# Altium PCB WX0.012.307PCB-4.2.PcbDoc (part 2 of 2)
Units mil, origin at the board's own origin, x right, y up, seen from the top; angles counter-clockwise.
Board outline 4856.3 x 9472.39 mil, 4 copper layers (Top Layer, GND, VCC, Bottom Layer), stack 62.248 mil thick; 200 components, 147 nets, 622 pads, 336 vias.
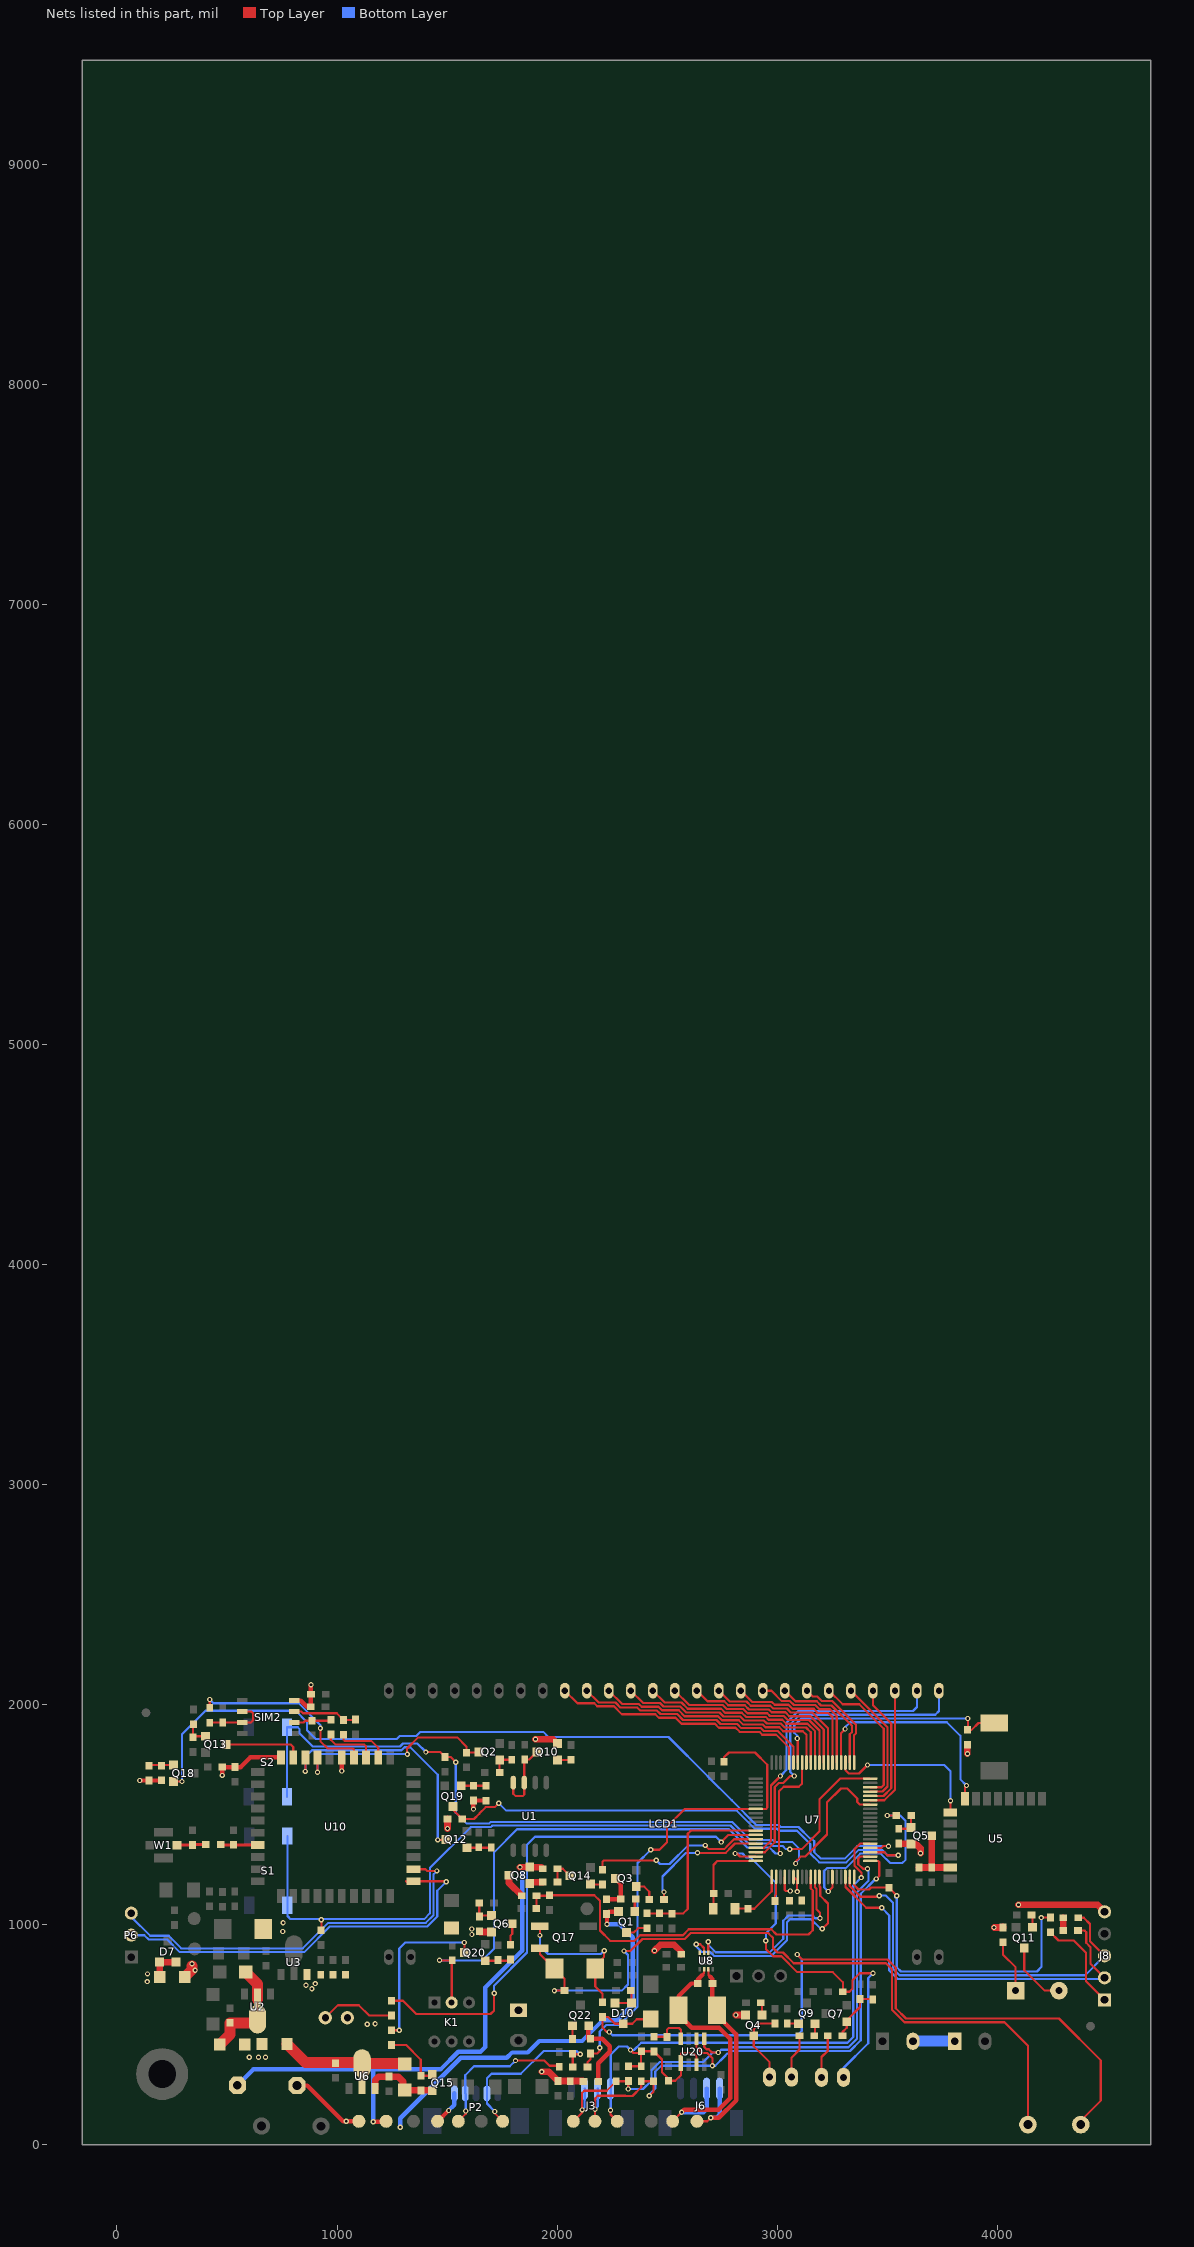
[diagram p4: the nets of this part, all layers, seen from the top]

## Via types
v1: diameter 24, hole 12, Top Layer to Bottom Layer, tented both sides, 336 vias

## Nets (pads, with @x,y where several pads share a name; then routed paths per layer and width w, separated by ;. In a path a pad name is that pad's centre, name@x,y a point inside that pad or via, vN(x,y) a via of type N, cw(c..) or ccw(c..) an arc to the next point about the centre after c; other vN are vias at no path point) (continued)
HIC1_TXD: R4.1 R58.1 R62.1 U7.48 | length 2251.1
  Top Layer w10: R62.1@2138,353 2138,374 2152,388 R58.1@2152,414 2182,414 2194,426 v1(2194,440) ; v1(2426,1340) 2466,1340 2499,1373 2499,1444.08 2580.76,1525.84 U7.48@2903.16,1525.84 2949.21,1525.84 2955,1531.63 2955,1726.75 2899.75,1782 2781,1782 2759,1760 R4.1@2759,1740.63
  Bottom Layer w10: v1(2194,440) 2194,514.25 2223.75,544 2283.11,544 2366,626.89 2366,1280 v1(2426,1340)
IN1: D10.3 P5.1 R75.1 TVS2.1 | length 3570.2
  Top Layer w10: v1(2237,512) 2226,512 2207,531 R75.1@2207,580 2233,580 2263.24,549.76 D10.3@2301,549.76 2341.76,549.76 2362,570 2423.74,570 TVS2.1@2425,571.26 ; v1(3091,864) 3114,841 3502.04,841 3539,804.04 3539,620.04 3586.04,573 4281,573 4471,383 4471,200 P5.1@4380,109
  Bottom Layer w10: v1(2237,512) 2252,497 3092,497 3112,517 3112,843 v1(3091,864)
IN2: D13.1 FB2.2 P5.2 Q17.2 | length 3364.5
  Top Layer w10: Q17.2@1922,892 1922,866.5 D13.1@1988.5,800 2034,754.5 FB2.2@2034,700 v1(1988,700) ; v1(2304,880) 2333,880 2388,935 2580.37,935 2607,961.63 2959,961.63 2961.63,959 2962.25,959 2981,940.25 2981,894 3002,873 3027.04,873 3076.04,824 3495,824 3522,797 3522,613 3579,556 4033,556 4140,449 P5.2@4140,91
  Bottom Layer w10: v1(1988,700) 2294,700 2322,728 2322,862 v1(2304,880)
INTP1: C47.2 S1.1 U7.20 | length 3625.1
  Top Layer w10: C47.2@927,974.51 929,976.51 v1(929,1022) ; v1(3057,1343) 3112.29,1343 3193,1423.71 3193,1569.71 3286.92,1663.64 U7.20@3422.84,1663.64
  Bottom Layer w10: S1.1@774.61,1402.48 S1.1@774.61,1087.52 774.61,1039.39 789,1025 1396,1025 1422,1051 1422,1257.25 1607.75,1443 1699.3,1443 1706.3,1450 2788.33,1450 2870.33,1368 2971.71,1368 2982.71,1357 3025.25,1357 3039.25,1343 v1(3057,1343)
INTP4: C46.2 S2.1 U7.14 | length 3716.9
  Top Layer w10: v1(1404,1784) 1468.51,1784 C46.2@1491,1761.51 1516.49,1761.51 v1(1540,1738) ; v1(3084,1278) 3084,1285.55 3107.45,1309 3126.37,1309 3227,1409.63 3227,1555.63 3290,1618.63 3318.8,1618.63 3364,1573.43 3364,1557.63 3376.1,1545.53 U7.14@3422.84,1545.53
  Bottom Layer w10: S2.1@772.61,1581.52 S2.1@772.61,1896.48 821.52,1896.48 830,1888 830,1868.88 889.37,1809.51 1286.21,1809.51 1299.7,1823 1365,1823 v1(1404,1784) ; v1(1540,1738) 1540,1508 1588,1460 1692.25,1460 1699.25,1467 2795.38,1467 2877.38,1385 2978.75,1385 2987.75,1376 3069.25,1376 3100,1345.25 3100,1298.25 3084,1282.25 v1(3084,1278)
IRED_RXD_EN: D6.2 R23.2 U7.59 | length 1837.7
  Top Layer w10: v1(2809,1323) 2818,1323 2831.69,1309.31 U7.59@2903.16,1309.31 ; v1(2949,927) 2949,889 2982,856 3020,856 3092,784 3253,784 3299,738 R23.2@3299,695 3329,695 3342,708 3342,746 3375,779 v1(3436,779)
  Bottom Layer w10: v1(2809,1323) 2843.21,1323 2860.21,1306 2878,1306 2994,1190 2994,1005 2949,960 v1(2949,927) ; D6.2@3302,306 3302,348.83 3414,460.83 3414,757 v1(3436,779)
KEY_OPEN: C63.2 K1.2 U7.33 | length 2844.1
  Top Layer w10: v1(1465.51,837.49) C63.2@1524,837.49 ; K1.2@1521,645.58 C63.2@1521,834.49 ; v1(3014,1323) 3009,1328 3009,1605.63 3030,1626.63 3099,1626.63 3113.79,1641.42 U7.33@3113.79,1736.47
  Bottom Layer w10: v1(1465.51,837.49) 1660.49,837.49 1714,891 1714,1329.04 1817.96,1433 2781.29,1433 2863.29,1351 2964.67,1351 2992.67,1323 v1(3014,1323)
LED: R37.1 U7.54 | length 2391.2
  Top Layer w10: R37.1@1247,654 1300,654 1360,594 1698,594 1714,610 v1(1714,688) ; v1(2746,1375) 2778.73,1407.73 U7.54@2903.16,1407.73
  Bottom Layer w10: v1(1714,688) 1714,723.29 1863.6,872.89 1863.6,1362.6 1900,1399 2722,1399 v1(2746,1375)
MCU_RXD0: Q19.3 R74.1 U7.3 | length 2388.6
  Top Layer w10: Q19.3@1527,1536.76 1527,1522 R74.1@1569,1480 1623,1480 1647,1504 1647,1505.25 1675.75,1534.01 1717.01,1534.01 v1(1735,1552) ; U7.3@3422.84,1328.99 3486.64,1328.99 3500,1315.63 v1(3550,1315.63)
  Bottom Layer w10: v1(1735,1552) 1769,1518 2816.5,1518 2898.5,1436 2999.88,1436 3008.88,1427 3090.38,1427 3151,1366.38 3151,1323.3 3191.48,1282.81 3314.23,1282.81 3371.04,1339.63 3477.75,1339.63 3501.75,1315.63 v1(3550,1315.63)
MCU_TXD0: Q18.2 U7.4 | length 3975
  Top Layer w10: Q18.2@256.76,1650.6 v1(295.4,1650.6) ; U7.4@3422.84,1348.68 3474,1348.68 3481.95,1356.63 v1(3506,1356.63)
  Bottom Layer w10: v1(295.4,1650.6) 295.4,1865.4 402,1972 812,1972 864,1920 864,1882.96 903.45,1843.51 1272.13,1843.51 1285.62,1857 1360.7,1857 1379.7,1876 1937,1876 1960,1853 2506.26,1853 2685,1674.26 2685,1673.37 2793.37,1565 2793.54,1565 2905.54,1453 3006.92,1453 3015.92,1444 3097.42,1444 3151.16,1390.26 3158.04,1390.26 3169,1379.3 3169,1329.34 3197.34,1301 3306,1301 3307.18,1299.81 3364,1356.63 v1(3506,1356.63)
MOTO_B: C37.2 J6.1 M_B.1 TVS1.2 U8.3 | length 1002.4
  Top Layer w10: M_B.1@2635.83,106.3 2682.3,106.3 v1(2698,122) ; U8.3@2687.82,797.82 2687.82,771.18 2696,763
  Top Layer w20: 2696,763 2706,753 C37.2@2706,732.49 TVS1.2@2706,632 ; v1(2698,122) 2735,122 2814,201 2814,501 2727,588 TVS1.2@2727,611
  Bottom Layer w20: v1(2698,122) 2725,122 2738.58,135.58 J6.1@2738.58,255
MOTO_R: C37.1 J6.2 M_R.1 TVS1.1 U8.2 | length 1339
  Top Layer w10: M_R.1@2525.59,106.3 v1(2566,146.71) ; 2660,772 2668.14,780.14 U8.2@2668.14,797.82
  Top Layer w20: v1(2566,146.71) 2578.29,159 2733.82,159 2787,212.18 2787,480 2736,531 2612,531 2552,591 TVS1.1@2552,611 2552,675 2609.49,732.49 C37.1@2639,732.49 2639,749.99 2660,770.99
  Bottom Layer w10: J6.2@2679.53,255 J6.2@2679.53,255
  Bottom Layer w20: v1(2566,146.71) 2665.71,146.71 2679.53,160.53 J6.2@2679.53,255
NB_POWER: Q20.3 R18.1 | length 760
  Top Layer w10: R18.1@1247,520 v1(1283,520) ; Q20.3@1578.76,873 v1(1578.76,918.76)
  Bottom Layer w10: v1(1283,520) 1283,891 1310.76,918.76 v1(1578.76,918.76)
NetB1_1: B1.1 R27.1 | length 243.6
  Top Layer w10: R27.1@4027,920 4027,863 4084,806 B1.1@4084,700
NetB1_2: B1.2 Q11.3 | length 296.9
  Top Layer w10: Q11.3@4123,893.5 4123,793 4216,700 B1.2@4280.85,700
NetC1_1: C1.1 R2.2 U10.27 | length 242.2
  Top Layer w14: R2.2@472.49,1362.51 C1.1@529,1362.51 U10.27@639.55,1362.51 ; C1.1@529.23,1362.28 604.34,1362.28
NetC2_1: C2.1 R2.1 W1.1 | length 128
  Top Layer w14: W1.1@273.51,1361.51 C2.1@344,1361.51 ; C2.1@346.49,1364 R2.1@404,1364
NetC4_1: C4.1 D2.2 R42.1 U2.2 | length 375.4
  Top Layer w50: D2.2@466.91,455 469,455 514,500 C4.1@514,553.51 U2.2@622.25,553.51 ; R42.1@585,785 639,731 U2.2@639,659.43
NetC11_1: C11.1 Q7.1 R5.2 R19.1 | length 258.3
  Top Layer w10: R19.1@3297,495 3297,512 3316.24,531.24 Q7.1@3316.24,558.6 3316.24,565.24 3377,626 C11.1@3377,661.51 3433.49,661.51 R5.2@3435,660
NetC12_2: C12.2 C50.1 | length 190.2
  Bottom Layer w50: C12.2@3617.22,470 C50.1@3807.43,470
NetC21_1: C21.1 Q15.2 R6.2 R50.2 U6.3 | length 345.4
  Top Layer w30: U6.3@1173.06,254.57 1173.06,293.06 1189.49,309.49 1234,309.49 1277.51,309.49 1300,287 1300,255.89 R50.2@1308,247.89 Q15.2@1429.46,247.89
NetC22_1: C22.1 C33.1 Q5.3 U5.14 | length 286.1
  Top Layer w30: C22.1@3645.09,1259.4 U5.14@3786.96,1259.4 ; C33.1@3703,1259.49 Q5.3@3703,1403.76
NetC36_1: C36.1 Q10.3 U1.7 U1.8 | length 334.1
  Top Layer w10: U1.8@1801,1645.09 1801,1595 1812,1584 1844,1584 1851,1591 U1.7@1851,1645.09 C36.1@1851,1748.51 ; C36.1@1853,1750.51 1873.26,1750.51 Q10.3@1907.76,1785
NetC38_1: C38.1 U7.62 | length 111.6
  Top Layer w10: C38.1@2990,1107.49 2990,1132.32 2995.68,1138 U7.62@2995.68,1216.79
NetC54_2: C54.2 Q18.1 R48.1 | length 107.4
  Top Layer w10: R48.1@149.4,1725.4 Q18.1@256.76,1725.4
NetC55_2: C55.2 Q19.1 R51.1 | length 111.9
  Top Layer w10: Q19.1@1564.4,1631.24 C55.2@1676.26,1631.24
NetD1_2: D1.2 R37.2 | length 343.4
  Top Layer w10: D1.2@946.77,576.77 1004,634 1099,634 1146,587 R37.2@1247,587
NetD5_1: D5.1 Q4.3 R16.2 | length 354
  Top Layer w10: D5.1@2966,307 2966,375 2894,447 Q4.3@2894,494.76 2894,524 2921,551 R16.2@2990,551
NetD5_2: D5.2 R15.2 | length 202.9
  Top Layer w10: D5.2@3066,307 3066,396 3102,432 R15.2@3102,495
NetD6_1: D6.1 R19.2 | length 200.6
  Top Layer w10: D6.1@3202,306 3202,398 3230,426 R19.2@3230,495
NetD10_1: D10.1 D10.2 FB1.2 | length 128.2
  Top Layer w10: D10.2@2263.6,644.24 D10.1@2338.4,644.24 FB1.2@2338.4,697.6
NetD13_2: D13.2 Q17.1 R75.2 | length 673
  Top Layer w10: v1(1922,951) Q17.1@1922,992 ; R75.2@2207,647 2207,685 2173.5,718.5 D13.2@2173.5,800 2166.5,807 2214,854.5 v1(2214,881)
  Bottom Layer w10: v1(1922,951) 1922,903 1959,866 2199,866 v1(2214,881)
NetJ8_1: J8.1 R95.2 | length 449.3
  Top Layer w10: R95.2@4242,965 4279,928 4348,928 4404,872 4404,742 J8.1@4488,658
NetP2_2: P2.2 R61.2 R62.2 TXD.1 | length 801.8
  Top Layer w10: v1(1717,151) 1717,142.25 TXD.1@1752.95,106.3 ; R62.2@2071,353 2071,412 2072.03,410.97 v1(2106,410.97)
  Bottom Layer w10: v1(1717,151) 1681.21,186.79 P2.2@1681.21,232.99 1681.21,301.21 1702,322 1835.04,322 1939.04,426 2088,426 2103.03,410.97 v1(2106,410.97)
NetP2_4: P2.4 R60.2 RXD.1 | length 690.6
  Top Layer w10: RXD.1@1551.18,106.3 1585,140.12 v1(1585,153) ; v1(1811,382) 1943,382 1966,359 2010,359 R60.2@2010,354
  Bottom Layer w10: P2.4@1582.79,232.99 1582.79,316 1622.79,356 1785,356 v1(1811,382) ; v1(1585,153) P2.4@1585,230.78
NetP6_2: P6.2 U10.1 | length 1853.1
  Top Layer w10: 1313,1196.93 1317.93,1192 1320.93,1195 U10.1@1348.43,1195 ; U10.1@1348.43,1196.93 1495.07,1196.93 v1(1497,1195)
  Bottom Layer w10: P6.2@65,952 123.96,952 143.96,932 227.96,932 284.96,875 851.3,875 967.3,991 1410.08,991 1456,1036.92 1456,1154 v1(1497,1195)
NetP6_3: P6.3 U10.2 | length 1828.3
  Top Layer w10: U10.2@1348.43,1252.05 1402,1252.05 1410.05,1244 v1(1454,1244)
  Bottom Layer w10: P6.3@65,1052 65,1035 151,949 235,949 292,892 844.25,892 960.25,1008 1403.04,1008 1439,1043.96 1439,1229 v1(1454,1244)
NetQ1_1: Q1.1 R1.2 | length 54.2
  Top Layer w10: Q1.1@2353.4,1059.24 R1.2@2353.4,1113.4
NetQ1_3: Q1.3 R9.1 | length 101
  Top Layer w10: Q1.3@2316,964.76 2349.76,964.76 2369,984 R9.1@2409,984
NetQ2_1: Q2.1 R11.2 R28.2 | length 111
  Top Layer w10: R11.2@1739,1692 1739,1747.35 Q2.1@1739.24,1747.6 1740.65,1749 R28.2@1794,1749
NetQ3_1: Q3.1 R14.2 | length 104.1
  Top Layer w10: Q3.1@2360.24,1172.6 2396.4,1172.6 2419,1150 R14.2@2419,1114
NetQ3_3: Q3.3 R1.1 R10.1 | length 166
  Top Layer w20: R10.1@2225,1115 R1.1@2288,1115 ; Q3.3@2265.76,1210 2290,1185.76 R1.1@2290,1117
NetQ4_1: Q4.1 R25.1 | length 50.4
  Top Layer w10: Q4.1@2931.4,589.24 R25.1@2931.4,639.6
NetQ5_1: Q5.1 R7.1 R8.2 | length 104.7
  Top Layer w10: R7.1@3553,1436 Q5.1@3603.35,1436 ; Q5.1@3608.76,1441.4 R8.2@3608.76,1495.76
NetQ6_1: Q6.1 R34.1 R41.2 | length 111.8
  Top Layer w10: R41.2@1646,1098 1646,1038 R34.1@1647,1037 ; R34.1@1651.4,1041.4 Q6.1@1701.76,1041.4
NetQ6_3: Q6.3 R53.2 | length 99.4
  Top Layer w10: R53.2@1788,908 1788,950 1796.24,958.24 Q6.3@1796.24,1004
NetQ8_1: Q8.1 R33.2 | length 52.4
  Top Layer w30: Q8.1@1882.65,1193 R33.2@1935,1193
NetQ8_3: Q8.3 R24.1 | length 117.1
  Top Layer w30: Q8.3@1781.76,1224 1781.76,1189.24 R24.1@1840,1131
NetQ9_1: Q9.1 R3.2 | length 50.4
  Top Layer w10: R3.2@3046,551 Q9.1@3096.35,551
NetQ9_2: Q9.2 R15.1 | length 51.4
  Top Layer w10: R15.1@3172.4,498.4 Q9.2@3172.4,549.76
NetQ10_1: Q10.1 R12.2 | length 59.4
  Top Layer w10: Q10.1@2002.24,1747.6 R12.2@2061.6,1747.6
NetQ11_1: Q11.1 R38.2 | length 51.6
  Top Layer w10: Q11.1@4160.4,987.98 R38.2@4160.4,1039.6
NetQ12_1: Q12.1 R45.2 R46.2 | length 110.4
  Top Layer w10: Q12.1@1590.24,1349.6 R45.2@1700.6,1349.6
NetQ13_1: Q13.1 R31.2 R32.2 | length 108.4
  Top Layer w10: R32.2@346,1851 R31.2@346,1909 ; R32.2@351.4,1856.4 Q13.1@401.76,1856.4
NetQ14_1: Q14.1 R36.2 | length 52.2
  Top Layer w10: Q14.1@2154.84,1182 R36.2@2207,1182
NetQ14_3: Q14.3 R26.1 R33.1 | length 130
  Top Layer w10: R33.1@2002,1193 R26.1@2002,1254 2025.76,1254 Q14.3@2057.76,1222
NetQ15_1: Q15.1 R6.1 R18.2 | length 280.1
  Top Layer w10: R18.2@1247,453 1314,453 1381,386 R6.1@1381,313 Q15.1@1426.35,313
NetQ20_1: Q20.1 R53.1 R54.2 | length 109.4
  Top Layer w10: Q20.1@1673.24,835.6 R53.1@1782.6,835.6
NetQ22_1: Q22.1 R61.1 | length 60.4
  Top Layer w10: R61.1@2070,480 Q22.1@2070,540.35
NetQ22_2: Q22.2 R58.2 R59.1 | length 350.2
  Top Layer w20: Q22.2@2142,538.35 2142,481 2205.33,481 2239,447.33 2239,422 2187,370 R59.1@2187,287
NetR96_1: R96.1 R97.1 U20.8 | length 200.8
  Top Layer w10: R97.1@2441,490 R96.1@2498,490 ; R96.1@2499,489 2499,522 2507,530 2554,530 2562.84,521.16 U20.8@2562.84,481.14
OPEN: U7.71 U8.6 | length 905.4
  Top Layer w10: v1(2687,922) 2687,873.46 U8.6@2687.82,872.63 ; U7.71@3172.84,1216.79 3172.84,1168.87 3179,1162.71 3179,1069.63 3195,1053.63 v1(3195,1029)
  Bottom Layer w10: v1(2687,922) 2687,908 2721,874 2966.3,874 3028,935.7 3028,1017.63 3052,1041.63 3161.16,1041.63 3173.79,1029 v1(3195,1029)
POWER_ON: Q13.3 U10.19 | length 365.9
  Top Layer w10: Q13.3@487.24,1819 Q13.3@496.24,1819 789,1819 801.19,1806.81 U10.19@801.19,1759.92
RESET: C61.2 Q2.3 U10.17 | length 969.6
  Top Layer w10: v1@911.43,1690.43 v1(911.43,1693) U10.17@911.43,1759.92 ; v1(1320,1774) 1318,1776 1318,1800 1369,1851 1546,1851 1588,1809 C61.2@1588,1781.51 Q2.3@1641.26,1781.51
  Bottom Layer w10: v1(911.43,1693) 911.43,1762.43 924.51,1775.51 1318.49,1775.51 v1(1320,1774)
RST: C49.2 R95.1 U7.80 | length 1542.1
  Top Layer w10: U7.80@3350.01,1216.79 3350.01,1179.62 3370,1159.63 3417.75,1159.63 3426.75,1168.63 3510.51,1168.63 C49.2@3516,1174.12 ; C49.2@3509,1167.12 3544,1132.12 v1(3544,1130.63) ; v1(4201,1032) R95.1@4242,1032
  Bottom Layer w10: v1@3537,1123.63 v1(3544,1130.63) 3544,806 3563,787 4181,787 4201,807 v1(4201,1032)
RXD1: U5.9 U7.23 | length 723.7
  Top Layer w10: U7.23@3310.64,1726.63 3310.64,1701.36 3325.37,1686.63 3372,1686.63 v1(3411,1725.63) ; U5.9@3788,1510.44 v1(3788,1563)
  Bottom Layer w10: v1(3411,1725.63) 3760,1725.63 3788,1697.63 v1(3788,1563)
S0: LCD1.9 U7.36 | length 1193.8
  Top Layer w10: LCD1.9@2035.54,2063.18 2092.88,2005.84 2168.84,2005.84 2182.68,1992 2258.64,1992 2294.64,1956 2446.55,1956 2462.74,1939.82 2538.69,1939.82 2565.51,1913 2717.43,1913 2735.43,1895 2811.39,1895 2830.39,1876 2919.67,1876 2932.92,1862.74 2995.56,1862.74 3054.73,1803.57 U7.36@3054.73,1736.47
S1: LCD1.10 U7.35 | length 1116.1
  Top Layer w10: LCD1.10@2135.54,2063.18 2189.72,2009 2265.68,2009 2288.68,1986 2364.64,1986 2377.64,1973 2453.6,1973 2469.78,1956.82 2545.74,1956.82 2572.55,1930 2724.47,1930 2742.47,1912 2818.43,1912 2837.43,1893 2926.71,1893 2939.97,1879.74 3002.6,1879.74 3074.42,1807.93 U7.35@3074.42,1736.47
S2: LCD1.11 U7.32 | length 1107.1
  Top Layer w10: LCD1.11@2235.54,2063.18 2295.72,2003 2371.68,2003 2384.68,1990 2460.64,1990 2476.82,1973.82 2552.78,1973.82 2579.6,1947 2731.51,1947 2749.51,1929 2825.47,1929 2844.47,1910 2933.75,1910 2947.01,1896.74 3009.64,1896.74 3027.39,1879 3117,1879 3133.47,1862.53 U7.32@3133.47,1736.47
S3: LCD1.12 U7.31 | length 1033.4
  Top Layer w10: LCD1.12@2335.54,2063.18 2391.72,2007 2467.68,2007 2483.86,1990.82 2559.82,1990.82 2586.64,1964 2738.55,1964 2756.55,1946 2832.51,1946 2851.51,1927 2940.79,1927 2954.05,1913.74 3016.69,1913.74 3034.43,1896 3131.04,1896 3153.16,1873.88 U7.31@3153.16,1736.47
S4: LCD1.13 U7.30 | length 955.7
  Top Layer w10: LCD1.13@2435.54,2063.18 2489.72,2009 2565.68,2009 2593.68,1981 2745.6,1981 2763.6,1963 2839.55,1963 2858.55,1944 2947.83,1944 2961.09,1930.74 3023.73,1930.74 3041.47,1913 3138.08,1913 3172.84,1878.24 U7.30@3172.84,1736.47
S5: LCD1.14 U7.29 | length 877.9
  Top Layer w10: LCD1.14@2535.54,2063.18 2600.72,1998 2752.64,1998 2770.64,1980 2846.6,1980 2865.6,1961 2954.88,1961 2968.13,1947.74 3030.77,1947.74 3048.51,1930 3145.12,1930 3192.53,1882.6 U7.29@3192.53,1736.47
S6: LCD1.15 U7.28 | length 800.1
  Top Layer w10: LCD1.15@2635.54,2063.18 2683.72,2015 2759.68,2015 2777.68,1997 2853.64,1997 2872.64,1978 2961.92,1978 2975.17,1964.74 3037.81,1964.74 3055.55,1947 3152.17,1947 3212.21,1886.95 U7.28@3212.21,1736.47
S7: LCD1.16 U7.27 | length 736.1
  Top Layer w10: LCD1.16@2735.54,2049.46 LCD1.16@2735.54,2063.18 2784.72,2014 2860.68,2014 2879.68,1995 2968.96,1995 2982.21,1981.74 3044.85,1981.74 3062.6,1964 3159.21,1964 3231.9,1891.31 U7.27@3231.9,1736.47
S8: LCD1.17 U7.26 | length 697.3
  Top Layer w10: LCD1.17@2835.54,2038.46 LCD1.17@2835.54,2063.18 2886.72,2012 2976,2012 2989.26,1998.74 3051.89,1998.74 3069.64,1981 3166.25,1981 3185.31,1961.94 3232.96,1961.94 3251.58,1943.32 U7.26@3251.58,1736.47
S9: LCD1.18 U7.25 | length 594.8
  Top Layer w10: LCD1.18@2935.54,2063.18 2974.17,2063.18 3021.6,2015.74 3058.94,2015.74 3076.68,1998 3173.29,1998 3192.35,1978.94 3240,1978.94 3271.27,1947.67 U7.25@3271.27,1736.47
S10: LCD1.19 U7.22 | length 542.3
  Top Layer w10: LCD1.19@3035.54,2063.18 3083.72,2015 3180.33,2015 3199.39,1995.94 3247.31,1995.94 3341,1902.25 3341,1875.75 3330.32,1865.07 U7.22@3330.32,1736.47
S11: LCD1.20 U7.21 | length 462.3
  Top Layer w10: LCD1.20@3135.54,2063.18 3162,2036.72 3182.65,2036.72 3203.63,2015.74 3251.55,2015.74 3358,1909.3 3358,1868.7 3350.01,1860.71 U7.21@3350.01,1736.47
S12: LCD1.21 U7.18 | length 642.4
  Top Layer w10: LCD1.21@3235.54,2063.18 3297.72,2001 3373.68,2001 3484.54,1890.14 3484.54,1634.3 3474.51,1624.27 U7.18@3422.84,1624.27
S13: LCD1.22 U7.17 | length 592.8
  Top Layer w10: LCD1.22@3335.54,2063.18 3501.54,1897.18 3501.54,1627.26 3478.87,1604.58 U7.17@3422.84,1604.58
S14: LCD1.23 U7.16 | length 587.7
  Top Layer w10: U7.16@3422.84,1584.9 3483.23,1584.9 3518.54,1620.22 3518.54,1914.09 3435.54,1997.09 LCD1.23@3435.54,2063.18
S15: LCD1.24 U7.15 | length 582.6
  Top Layer w10: U7.15@3422.84,1565.21 3487.58,1565.21 3535.54,1613.17 LCD1.24@3535.54,2063.18
S16: LCD1.25 U7.57 | length 1345
  Top Layer w10: U7.57@2903.16,1348.68 2940.01,1348.68 2972,1380.67 2972,1632.63 v1(3015,1675.63)
  Bottom Layer w10: v1(3015,1675.63) 3043,1703.63 3043,1917.63 3096.37,1971 3618,1971 3635.54,1988.54 LCD1.25@3635.54,2063.18
S17: LCD1.26 U7.58 | length 1501.4
  Top Layer w10: U7.58@2903.16,1328.99 2944.36,1328.99 2989,1373.63 2989,1625.59 3007.04,1643.63 3028.25,1643.63 3060.25,1675.63 v1(3078,1675.63)
  Bottom Layer w10: v1(3078,1675.63) 3060,1693.63 3060,1910.59 3103.41,1954 3719,1954 3735.54,1970.54 LCD1.26@3735.54,2063.18
SIM_CLK: R52.2 U10.13 | length 246.5
  Top Layer w10: R52.2@972,1864 972,1840 994,1818 1124,1818 1131.9,1810.1 U10.13@1131.9,1759.92
SIM_DATA: R21.1 U10.14 | length 866.4
  Top Layer w10: R21.1@422,1985 v1(422,2023) ; v1(924.5,1892.51) 924.5,1833.5 957,1801 1072,1801 1076.78,1796.22 U10.14@1076.78,1759.92
  Bottom Layer w10: v1(422,2023) 439,2006 826.08,2006 924.5,1907.58 v1(924.5,1892.51)
SIM_RST: R17.2 U10.12 | length 239.4
  Top Layer w10: R17.2@1029,1863 1029,1841 1035,1835 1156.02,1835 1187.02,1804 U10.12@1187.02,1759.92
SLEEP: U7.72 U8.7 | length 1069
  Top Layer w10: v1(2632,911) 2651.15,911 2668.15,894 U8.7@2668.15,872.63 ; U7.72@3192.53,1216.79 3192.53,1173.23 3196,1169.75 3196,1130.63 3231,1095.63 3231,1006.18 v1(3205.65,980.82)
  Bottom Layer w10: v1(2632,911) 2627,911 2625,909 2658,876 2694.96,876 2713.96,857 2973.34,857 3045,928.66 3045,1007 ; 3045,1010.59 3059.04,1024.63 3154.12,1024.63 3197.92,980.82 v1(3205.65,980.82)
SWCLK: J8.2 R94.1 U7.78 | length 1827.4
  Top Layer w10: U7.78@3310.64,1216.79 3310.64,1170.91 3404.92,1076.63 v1(3475,1076.63) ; R94.1@4367,973 4397,973 4405,965 4405,916.96 4424.5,897.46 4424.5,821.5 J8.2@4488,758
  Bottom Layer w10: v1(3475,1076.63) 3510,1041.63 3510,791.92 3548.92,753 4483,753 J8.2@4488,758
SWIO: J8.3 R93.2 U7.79 | length 1821.7
  Top Layer w10: U7.79@3330.32,1216.79 3330.32,1175.27 3378.96,1126.63 3459,1126.63 v1(3464,1131.63) ; R93.2@4368,1031 4394,1031 4422,1003 4422,924 J8.3@4488,858
  Bottom Layer w10: v1(3464,1131.63) 3495,1131.63 3527,1099.63 3527,798.96 3555.96,770 4400,770 J8.3@4488,858
TXD1: U5.8 U7.24 | length 1027.8
  Top Layer w10: U7.24@3290.95,1736.47 3290.95,1870.95 v1(3309,1889) ; U5.8@3853.89,1572 3853.89,1624.89 v1(3861,1632)
  Bottom Layer w10: v1(3309,1889) 3309,1897 3332,1920 3771,1920 3833,1858 3833,1660 v1(3861,1632)
USIM_CLK: C56.2 R52.1 SIM2.6 | length 165.3
  Top Layer w10: SIM2.6@806,1918.43 847.43,1918.43 855.82,1926.82 C56.2@886,1926.82 R52.1@967.82,1926.82
USIM_DATA: C24.2 R21.2 SIM2.2 SIM2.3 | length 284.1
  Top Layer w10: R21.2@422,1918 422.43,1918.43 SIM2.3@569.78,1918.43 607.43,1918.43 619,1930 619,1959 609.57,1968.43 SIM2.2@569.78,1968.43
USIM_RST: C52.2 R17.1 SIM2.7 | length 291.4
  Top Layer w10: SIM2.7@806,1968.43 837.57,1968.43 845.5,1960.5 998.5,1960.5 R17.1@1029,1930 C52.2@1081.49,1930
USIM_VDD: C27.2 C32.1 SIM2.8 U10.15 | length 230.2
  Top Layer w20: SIM2.8@806,2018.43 835.57,2018.43 C27.2@864,1990 ; C27.2@881.51,1991.02 C32.1@881.51,2047 v1(881.51,2089.49) ; v1(1021.66,1698) U10.15@1021.66,1759.92
VCC: C5.1 C6.1 C13.2 C17.1 C18.1 C30.1 C31.1 C44.2 C48.2 D1.1 J8.5 P2.5 Q4.2 Q5.2 Q6.2 Q10.2 R7.2 R27.2 R34.2 R59.2 R63.2 R74.2 R93.1 R94.2 U3.3 U7.64 U7.66 U7.67 U8.8 VCC.1 | length 1601.3
  Top Layer w10: U7.64@3035.05,1216.79 3035.05,1157.58 3039.63,1153 v1(3060,1153) ; U7.66@3074.42,1216.79 3091,1200.2 v1(3091,1150)
  Top Layer w20: VCC.1@1457,106.3 1458.3,106.3 v1(1507,155)
  Top Layer w30: v1(1502,1437) R74.2@1502,1480 ; R34.2@1650.4,966.6 Q6.2@1701.76,966.6 ; v1(1902,1842) 1982.65,1842 Q10.2@2002.24,1822.4 ; v1(1931,332) 1961.49,332 C31.1@2004,289.49 R59.2@2117.51,289.49 ; v1(2443,882) 2469,908 2533,908 2564,877 C48.2@2564,865.49 ; v1(2812.76,589.24) Q4.2@2856.6,589.24 ; R7.2@3555.4,1366.6 Q5.2@3608.76,1366.6 3631.4,1366.6 3652,1346 v1(3652,1324) ; v1(3865,1776) R63.2@3865,1818 ; v1(3986,987) R27.2@4027,987 R27.2@4025,989 ; v1(4097,1090) 4456,1090 J8.5@4488,1058 ; R94.2@4300,973 4300,1030 R93.1@4301,1031
  Bottom Layer w20: v1(1507,155) 1533.57,181.57 P2.5@1533.57,232.99
  other v1: 886,708 859,724 901,732 1613,955 1612,980
VDD_BLE_CTL: R8.1 U7.75 | length 913.2
  Top Layer w10: v1(3232,1150.63) 3251.58,1170.21 U7.75@3251.58,1216.79 ; v1(3500,1496) R8.1@3542,1496
  Bottom Layer w10: v1(3232,1150.63) 3214,1168.63 3214,1243.63 3227,1256.63 3312.08,1256.63 3378.08,1322.63 3470.7,1322.63 3512.7,1280.63 3569.63,1280.63 3584,1295 3584,1471 3559,1496 v1(3500,1496)
VDD_EXT: C54.1 C55.1 C62.1 R48.2 R51.2 R73.2 U10.20 | length 514.9
  Top Layer w20: v1(104,1655) R48.2@146,1655 C54.1@202.49,1655 ; v1(479,1678) R73.2@479,1716 562,1716 605.92,1759.92 U10.20@743.76,1759.92 ; v1(1620,1525) R51.2@1620,1564 C55.1@1676.51,1564
VIN: BT1.1 D2.1 D4.1 Q1.2 R10.2 VIN1.1 | length 2213.5
  Top Layer w20: BT1.1@818,269 865,269 1027.7,106.3 v1(1042,106.3) VIN1.1@1099.41,106.3 ; v1(2227,1002) 2227,1046 R10.2@2225,1048 2236.24,1059.24 Q1.2@2278.6,1059.24
  Bottom Layer w20: v1(1287,79) 1287,120 1562,395 1771.67,395 1795.67,419 1867,419 1919,471 2113.89,471 2208.89,566 2274,566 2344,636 2344,942 2284,1002 v1(2227,1002)
  other v1: 601,397 643,397 675,397
VIN_CHEAK: C40.2 R9.2 R13.1 U7.53 | length 849.5
  Top Layer w10: R9.2@2409,1051 R13.1@2466,1051 2574,1051 2594,1071 2594,1412.92 ; 2596,1412.92 2596,1414.92 2608.5,1427.42 U7.53@2903.16,1427.42
VIN_CHEAK_EN: R14.1 U7.56 | length 594.1
  Top Layer w10: R14.1@2486,1114 v1(2486,1148) ; v1(2638,1326) 2766.3,1326 2795,1354.7 2795,1355 2808.36,1368.36 U7.56@2903.16,1368.36
  Bottom Layer w10: v1(2486,1148) 2479,1155 2479,1219 2586,1326 v1(2638,1326)
VIN_NB: C15.1 C23.1 D4.2 D8.2 D9.2 R50.1 U6.2 | length 625.1
  Top Layer w50: D9.2@308.09,762 342,795.91 v1@342,811 ; D4.2@773.09,458 857.35,373.74 U6.2@1109,373.74 ; U6.2@1114,368.74 R50.1@1305.26,368.74
  other v1: 1137,547 1173,549 355,793 341,822 753,969 755,1008
VNB: BT2.1 D7.1 D7.2 D9.1 Q8.2 R26.2 VBAT2.1 | length 2634.8
  Top Layer w20: v1(1165,104) 1221.12,104 VBAT2.1@1223.42,106.3
  Top Layer w30: D9.1@193.91,762 193.91,829.44 268.09,829.44 D7.2@268.4,829.76 ; v1(1831.6,1261.4) Q8.2@1876.24,1261.4 1927.6,1261.4 R26.2@1935,1254
  Bottom Layer w20: BT2.1@547.39,269.5 619.89,342 1470.82,342 1550.82,422 1652,422 1674,444 1674,714.4 1841.6,882 1841.6,1251.4 v1(1831.6,1261.4) ; v1(1165,104) 1165,341
  other v1: 137,741 139,776
VNB_CHEAK: C34.2 R24.2 R35.1 U7.70 | length 1759.5
  Top Layer w10: R35.1@1907,1075 R24.2@1907,1131 C34.2@1963.49,1131 ; C34.2@1966,1133.51 2169.49,1133.51 2195,1108 2195,973 2242,926 2352,926 2378,952 2572,952 2598.63,978.63 2973.62,978.63 2997.62,954.63 3142.25,954.63 3162,974.38 3162,1155.67 3153.16,1164.51 U7.70@3153.16,1216.79
VNB_CHEAK_EN: R36.1 U7.55 | length 804.3
  Top Layer w10: R36.1@2207,1249 2207,1287 2212,1292 v1(2451,1292) ; v1(2673,1360) 2690,1343 2759.25,1343 2778,1361.75 2778,1362.04 2804.01,1388.05 U7.55@2903.16,1388.05
  Bottom Layer w10: v1(2451,1292) 2467.98,1275.02 2510.98,1275.02 2595.96,1360 v1(2673,1360)
WAKEUP: Q12.3 U10.18 | length 1116.9
  Top Layer w10: v1(856.31,1696.31) U10.18@856.31,1759.92 ; v1(1458,1385) 1474.76,1385 Q12.3@1476.76,1387
  Bottom Layer w10: v1(856.31,1696.31) 856.31,1762.31 886.51,1792.51 1293.25,1792.51 1306.75,1806 1333.25,1806 1458,1681.25 v1(1458,1385)
WY_POW: C10.1 C64.1 J3.1 POW.1 R29.1 R30.1 R97.2 U7.5 U20.1 U20.3 | length 3100.5
  Top Layer w10: v1(2243,156) 2243,136.92 POW.1@2273.62,106.3 ; R29.1@2324,356.74 2382,356.74 2382,412.49 2386.51,417 2347,417 v1(2334,430) ; C10.1@2384,424.51 R97.2@2439.49,424.51 ; R97.2@2441,423 2477,387 2477,329 2507,299 C64.1@2507,290.51 2537.51,290.51 2562.84,315.84 U20.1@2562.84,370.91 2562.84,411.84 2567,416 2620,416 2633.71,402.29 U20.3@2633.71,363.03 ; v1(3382.91,1213.75) 3382.91,1236.76 3352,1267.68 3352,1342.84 3377.52,1368.36 U7.5@3422.84,1368.36
  Bottom Layer w10: v1@2243.58,156.58 2243.58,409.58 2280,446 2318,446 v1(2334,430) 2350,430 2383,463 3320,463 3346,489 3346,1176.83 v1(3382.91,1213.75)
WY_SCL: C39.2 J3.3 R29.2 SCL.1 U7.2 U20.5 | length 2718.6
  Top Layer w10: SCL.1@2073.82,106.3 2114,146.48 v1(2114,158) 2114,236 2123,245 2225.77,245 C39.2@2269,288.23 2322.49,288.23 R29.2@2324,289.74 v1(2324,253) ; U20.5@2669.14,481.14 2669.14,443.86 2679,434 2689.04,434 2704.04,419 v1(2733,419) ; v1(3411,1253.63) 3390.09,1253.63 3369,1274.72 3369,1300.63 3377.68,1309.31 U7.2@3422.84,1309.31
  Bottom Layer w10: v1(2114,158) 2125.47,169.47 J3.3@2125.47,255.05 ; v1(2324,253) 2391,253 2429,291 2429,338.04 2466.96,376 2665,376 2708,419 v1(2733,419) ; v1@2733.5,418.5 2746,431 2775.17,431 2787.17,443 3324.04,443 3363,481.96 3363,1147.63 3414.91,1199.54 3414.91,1249.72 v1(3411,1253.63)
WY_SDA: C45.1 J3.2 R30.2 SDA.1 U7.1 U20.6 | length 2761.7
  Top Layer w10: SDA.1@2172.24,106.3 v1(2172.24,160.76) 2172.24,209.24 2185,222 2309.75,222 2310.74,221 2343,221 2383,261 R30.2@2383,288.74 ; R30.2@2383.49,288.25 C45.1@2438.51,288.25 2438.51,240.94 v1(2419.39,221.82) ; U20.6@2633.71,481.14 2633.71,442.29 2659,417 2682,417 2706,393 v1(2706,359) ; U7.1@3422.84,1289.62 3458.38,1289.62 3464,1284 3464,1220.63 v1(3451,1207.63)
  Bottom Layer w10: v1(2172.24,160.76) 2184.53,173.04 J3.2@2184.53,255.05 ; v1(2419.39,221.82) 2419.39,228.38 2446,254.98 2446,331 2474,359 v1(2706,359) 2719.25,359 2761,400.75 2761,401 2774,414 2782.21,414 2794.21,426 3331.08,426 3380,474.92 3380,1140.59 3447.04,1207.63 v1(3451,1207.63)
X1: R63.1 S3.1 U7.34 | length 1162
  Top Layer w10: v1(3092,1846) 3094.1,1843.9 U7.34@3094.1,1736.47 ; R63.1@3865,1885 3884,1885 3915,1916 S3.1@3987,1916 ; R63.1@3867,1887 v1(3867,1937)
  Bottom Layer w10: v1(3092,1846) 3092,1858 3078,1872 3078,1904.55 3110.45,1937 v1(3867,1937)
XT1: C28.2 U7.61 Y2.1 | length 265.2
  Top Layer w10: Y2.1@2809,1072.63 C28.2@2868,1072.63 ; C28.2@2868,1072.12 2896.75,1072.12 2975.99,1151.37 U7.61@2975.99,1216.79
XT2: C7.2 U7.60 Y2.2 | length 398.8
  Top Layer w10: Y2.2@2710.57,1072.63 2710.57,1271.2 2728.99,1289.62 U7.60@2903.16,1289.62
pads on no net: K1.3 K1.4 K1.5 K1.6 LCD1.27 LCD1.28 LCD1.29 LCD1.30 MARK1.0 MARK1.1 MARK2.0 MARK2.1 SIM2.4 SIM2.5 U5.2 U5.3 U5.4 U5.5 U5.6 U5.7 U5.10 U5.11 U5.12 U5.13 U7.47 U7.74 U10.3 U10.4 U10.5 U10.6 U10.7 U10.8 U10.11 U10.16 U10.21 U10.24 U10.33 U10.34 U10.35 U10.36 U10.37 U10.38 U10.39 U10.40 U20.4 U20.7

## Polygon pours and split planes (outlines as drawn)
GND on Top Layer "TopLayer-gnd" (solid, remove dead copper, pour order 6): 0,2182.04 4223.43,2182.04 4541.34,1864.13 4541.34,-0.04 0,-0.04 0,2182.04
GND on Bottom Layer "BottomLayer-gnd" (solid, remove dead copper, pour order 5): 0,2182.04 4223.43,2182.04 4541.34,1864.13 4541.34,-0.04 0,-0.04 0,2182.04
GND on GND (split plane): 4678.72,20.07 409.45,20.07 409.45,501.95 0,501.95 0,20.07 -137.38,20.07 -137.38,9452.27 4678.72,9452.27
VIN_NB on VCC (split plane): 1225.4,703.4 1227.05,702.29 1229,701.9 1846.89,701.9 1881.9,666.89 1881.9,588.11 1852.89,559.1 1815.11,559.1 1773.6,600.6 1773.01,601.01 1772.6,601.6 1770.95,602.71 1769,603.1 1303,603.1 1301.05,602.71 1299.4,601.6 1214.89,517.1 1124.11,517.1 1099.1,542.11 1099.1,626.13 1099.71,627.05 1100.1,629 1099.71,630.95 1098.6,632.6 820.6,910.6 818.95,911.71 817,912.1 397,912.1 395.05,911.71 393.4,910.6 371.4,888.6 370.29,886.95 369.9,885 369.9,835 370.29,833.05 371.4,831.4 371.91,831.05 371.9,831 371.9,798 371.9,749 371.9,739.31 329.07,782.14 328.71,783.95 327.6,785.6 321.6,791.6 319.95,792.71 318.14,793.07 293.1,818.11 293.1,978.89 326.6,1012.4 373.6,1059.4 375.11,1060.9 867.89,1060.9
5V on VCC (split plane): 918.93,513.86 919.29,512.05 920.4,510.4 997.4,433.4 999.05,432.29 1001,431.9 2496,431.9 2497.82,432.26 2498.4,431.4 2500.05,430.29 2502,429.9 2503.95,430.29 2505.6,431.4 2506.71,433.05 2507.1,435 2507.1,771.89 2544.11,808.9 2586.89,808.9 2612.9,782.89 2612.9,437 2613.29,435.05 2614.4,433.4 2616.05,432.29 2618,431.9 3380,431.9 3381.95,432.29 3383.6,433.4 3423.6,473.4 3424.71,475.05 3425.1,477 3425.1,518.89 3441.11,534.9 3517.89,534.9 3541.9,510.89 3541.9,395.11 3525.89,379.1 975.11,379.1 622.6,731.6 620.95,732.71 619,733.1 382.1,733.1 382.1,798 382.1,829.9 602.89,829.9
USIM_VDD on VCC (split plane): 1040.4,2049.4 1054.9,2034.89 1054.9,1788 1054.9,1699.11 1036.89,1681.1 967.11,1681.1 946.1,1702.11 946.1,1727 946.1,1786 946.1,1978.13 946.71,1979.05 947.1,1981 947.1,1985 946.71,1986.95 945.6,1988.6 845.1,2089.11 845.1,2121.89 857.11,2133.9 955.89,2133.9
VCC on VCC (split plane): 1943.9,1862.89 1943.9,1505 1944.29,1503.05 1945.4,1501.4 1963.4,1483.4 1965.05,1482.29 1967,1481.9 3670,1481.9 3671.95,1482.29 3673.6,1483.4 3674.71,1485.05 3675.08,1486.92 3676.95,1487.29 3678.6,1488.4 3789.6,1599.4 3790.71,1601.05 3791.1,1603 3791.1,1768.89 3850.11,1827.9 3966.89,1827.9 4042.9,1751.89 4042.9,1242 4042.9,1230 4043.29,1228.05 4044.4,1226.4 4149.9,1120.89 4149.9,1059 4149.9,327.11 4046.89,224.1 2864.11,224.1 2807.6,280.6 2805.95,281.71 2804,282.1 1582,282.1 1580.05,281.71 1578.4,280.6 1542.4,244.6 1541.29,242.95 1540.9,241 1540.9,140.11 1518.89,118.1 1492.11,118.1 1474.1,136.11 1474.1,139 1474.1,348.89 1494.11,368.9 3528,368.9 3529.95,369.29 3531.6,370.4 3550.6,389.4 3551.71,391.05 3552.1,393 3552.1,513 3551.71,514.95 3550.6,516.6 3523.6,543.6 3521.95,544.71 3520,545.1 3439,545.1 3437.05,544.71 3435.4,543.6 3416.4,524.6 3415.29,522.95 3414.9,521 3414.9,479.11 3377.89,442.1 2623.1,442.1 2623.1,785 2622.71,786.95 2621.6,788.6 2592.6,817.6 2590.95,818.71 2589,819.1 2542,819.1 2540.05,818.71 2538.4,817.6 2498.4,777.6 2497.29,775.95 2496.9,774 2496.9,441.92 2496,442.1 1003.11,442.1 929.07,516.14 928.71,517.95 927.6,519.6 608.6,838.6 606.95,839.71 605,840.1 423.87,840.1 422.95,840.71 421,841.1 415,841.1 413.05,840.71 412.13,840.1 380.1,840.1 380.1,882.89 399.11,901.9 814.89,901.9 1088.9,627.89 1088.9,540 1089.29,538.05 1090.4,536.4 1118.4,508.4 1120.05,507.29 1122,506.9 1217,506.9 1218.95,507.29 1220.6,508.4 1305.11,592.9 1766.89,592.9 1809.4,550.4 1811.05,549.29 1813,548.9 1855,548.9 1856.95,549.29 1858.6,550.4 1890.6,582.4 1891.71,584.05 1892.1,586 1892.1,669 1891.71,670.95 1890.6,672.6 1852.6,710.6 1850.95,711.71 1849,712.1 1691.11,712.1 1459.1,944.11 1459.1,1318 1459.1,1484.9 1643.13,1484.9 1644.05,1484.29 1646,1483.9 1838,1483.9 1839.95,1484.29 1841.6,1485.4 1842.71,1487.05 1843.1,1489 1843.1,1845.89 1878.11,1880.9 1925.89,1880.9
VIN on VCC (split plane): 833.4,392.4 833.4,392.39 869.93,355.86 870.29,354.05 871.4,352.4 920.4,303.4 922.05,302.29 924,301.9 1316.89,301.9 1348.9,269.89 1348.9,92.11 1311.89,55.1 1246.11,55.1 1220.1,81.11 1220.1,201 1220.1,203 1219.71,204.95 1218.6,206.6 1202.6,222.6 1200.95,223.71 1199,224.1 1197.05,223.71 1195.4,222.6 1195.06,222.1 785.11,222.1 762.1,245.11 762.1,338 761.71,339.95 760.6,341.6 737.6,364.6 735.95,365.71 734,366.1 586.11,366.1 564.1,388.11 564.1,408.89 586.11,430.9 593,430.9 594.95,431.29 596.6,432.4 596.94,432.9 792.89,432.9
VDD_EXT on VCC (split plane): 944.4,1567.4 946.05,1566.29 948,1565.9 1624.89,1565.9 1657.9,1532.89 1657.9,1495.1 946.11,1495.1 824.6,1616.6 822.95,1617.71 821,1618.1 83.11,1618.1 57.1,1644.11 57.1,1679.89 88.11,1710.9 800.89,1710.9
GPRS_3.6V on VCC (split plane): 373.9,1123.89 373.9,1071.1 373,1071.1 371.05,1070.71 369.4,1069.6 366.4,1066.6 319.4,1019.6 314.4,1014.6 284.4,984.6 283.29,982.95 282.9,981 282.9,821.1 124.1,821.1 124.1,981.89 274.11,1131.9 365.89,1131.9
GND on VCC (split plane): 4678.72,20.07 409.45,20.07 409.45,501.95 4,501.95 4,20.07 -137.38,20.07 -137.38,9452.27 4678.72,9452.27
VNB on VCC (split plane): 371.4,725.4 553.9,542.89 553.9,411 553.9,386 553.9,380 554.29,378.05 555.4,376.4 601.9,329.89 601.9,234.11 588.89,221.1 470.11,221.1 444.1,247.11 444.1,572 443.71,573.95 442.6,575.6 305.6,712.6 303.95,713.71 302,714.1 110.11,714.1 104.1,720.11 104.1,798.89 116.11,810.9 285.89,810.9

## Keep-outs
Keep-Out Layer:
  circle w10: c824.72,147.44 r53.15
  circle w10: c555.72,147.44 r53.15
  circle w10: c204.72,597.44 r53.15
  circle w10: c4338.59,321.85 r62.99
  circle w10: c4378.02,1739.09 r53.15
  circle w10: c4220.48,1975.37 r62.99
  circle w10: c4220.48,4405.47 r62.99
  circle w10: c4378.02,4169.19 r53.15
  circle w10: c4338.59,2751.95 r62.99
  circle w10: c204.72,3027.54 r53.15
  circle w10: c555.72,2577.54 r53.15
  circle w10: c824.72,2577.54 r53.15
  circle w10: c4220.48,6835.57 r62.99
  circle w10: c4378.02,6599.29 r53.15
  circle w10: c4338.59,5182.05 r62.99
  circle w10: c204.72,5457.64 r53.15
  circle w10: c555.72,5007.64 r53.15
  circle w10: c824.72,5007.64 r53.15
  circle w10: c4220.48,9265.68 r62.99
  circle w10: c4378.02,9029.39 r53.15
  circle w10: c4338.59,7612.15 r62.99
  circle w10: c204.72,7887.74 r53.15
  circle w10: c555.72,7437.74 r53.15
  circle w10: c824.72,7437.74 r53.15
  pour cut-out: 37.4,501.95 409.45,501.95 409.45,37.38 37.4,37.38
  pour cut-out: 4228,1626 4228,1114 4539,1114 4540,1113 4543,1116 4543,1626
  pour cut-out: 4228,4056.1 4228,3544.1 4539,3544.1 4540,3543.1 4543,3546.1 4543,4056.1
  pour cut-out: 37.4,2932.05 409.45,2932.05 409.45,2467.48 37.4,2467.48
  pour cut-out: 4228,6486.2 4228,5974.2 4539,5974.2 4540,5973.2 4543,5976.2 4543,6486.2
  pour cut-out: 37.4,5362.15 409.45,5362.15 409.45,4897.58 37.4,4897.58
  pour cut-out: 4228,8916.3 4228,8404.3 4539,8404.3 4540,8403.3 4543,8406.3 4543,8916.3
  pour cut-out: 37.4,7792.25 409.45,7792.25 409.45,7327.68 37.4,7327.68
  lines w0.5: 0,-0.02 4541.34,-0.02 ; 0,-0.02 0,2182.07 ; 0,-0.02 0,2182.07 ; 0,-0.02 0,2182.07 ; 0,-0.02 -157.48,-0.02 -157.48,9472.37 0,9472.37 ; 0,2182.07 4223.43,2182.07 4541.34,1864.15 ; 0,2182.07 0,2430.08 ; 0,2430.08 0,4612.17 ; 0,2430.08 0,4612.17 ; 0,2430.08 0,4612.17 ; 0,2430.08 4541.34,2430.08 ; 0,2430.08 0,4612.17 ; 0,2430.08 0,4612.17 ; 0,2430.08 0,4612.17 ; 0,2430.08 4541.34,2430.08 ; 0,4612.17 0,4860.18 ; 0,4612.17 0,4860.18 ; 0,4612.17 0,4860.18 ; 0,4612.17 4223.43,4612.17 4541.34,4294.25 ; 0,4860.18 0,7042.27 ; 0,4860.18 0,7042.27 ; 0,4860.18 0,7042.27 ; 0,4860.18 4541.34,4860.18 ; 0,4860.18 0,7042.27 ; 0,4860.18 0,7042.27 ; 0,4860.18 0,7042.27 ; 0,4860.18 4541.34,4860.18 ; 0,7042.27 0,7290.28 ; 0,7042.27 0,7290.28 ; 0,7042.27 0,7290.28 ; 0,7042.27 4223.43,7042.27 4541.34,6724.35 ; 0,7290.28 0,9472.37 ; 0,7290.28 0,9472.37 ; 0,7290.28 0,9472.37 ; 0,7290.28 4541.34,7290.28 ; 0,7290.28 0,9472.37 ; 0,7290.28 0,9472.37 ; 0,7290.28 0,9472.37 ; 0,7290.28 4541.34,7290.28 ; 0,9472.37 4223.43,9472.37 ; 4223.43,9472.37 4541.34,9154.45 ; 4223.43,9472.37 4698.82,9472.37 4698.82,-0.02 4541.34,-0.02 ; 4541.34,-0.02 4541.34,1864.15 ; 4541.34,-0.02 4541.34,1864.15 ; 4541.34,-0.02 4541.34,1864.15 ; 4541.34,1864.15 4541.34,2430.08 ; 4541.34,2430.08 4541.34,4294.25 ; 4541.34,2430.08 4541.34,4294.25 ; 4541.34,2430.08 4541.34,4294.25 ; 4541.34,2430.08 4541.34,4294.25 ; 4541.34,2430.08 4541.34,4294.25 ; 4541.34,2430.08 4541.34,4294.25 ; 4541.34,4294.25 4541.34,4860.18 ; 4541.34,4294.25 4541.34,4860.18 ; 4541.34,4294.25 4541.34,4860.18 ; 4541.34,4860.18 4541.34,6724.35 ; 4541.34,4860.18 4541.34,6724.35 ; 4541.34,4860.18 4541.34,6724.35 ; 4541.34,4860.18 4541.34,6724.35 ; 4541.34,4860.18 4541.34,6724.35 ; 4541.34,4860.18 4541.34,6724.35 ; 4541.34,6724.35 4541.34,7290.28 ; 4541.34,6724.35 4541.34,7290.28 ; 4541.34,6724.35 4541.34,7290.28 ; 4541.34,7290.28 4541.34,9154.45 ; 4541.34,7290.28 4541.34,9154.45 ; 4541.34,7290.28 4541.34,9154.45 ; 4541.34,7290.28 4541.34,9154.45 ; 4541.34,7290.28 4541.34,9154.45 ; 4541.34,7290.28 4541.34,9154.45 ; 4541.34,9154.45 4541.34,9472.37 ; 4541.34,9154.45 4541.34,9472.37 ; 4541.34,9154.45 4541.34,9472.37

## Other copper
Top Layer:
  rectangle net GPRS_3.6V: 1557,186 1625,304
  rectangle net GPRS_3.6V: 721,1101 826,1179
  rectangle net 3.6V: 314,946 384,1062
  rectangle net VIN_NB: 623,947 773,1027
  rectangle net VNB: 120,721 217,795
  rectangle net VIN: 557,369 696,477
  rectangle net 5V: 381,745 498,815
  rectangle net VCC: 4275,1012 4320,1080
  rectangle net VCC: 1603,946 1661,992
  rectangle net EARTH: 37.4,37.38 409.45,501.95
  rectangle net 5V: 2542,759 2588,824
  rectangle net VCC: 1484,955 1613,1008
  rectangle net 5V: 548,661 595,709
  region net VIN_NB: 1127,568 1185,568 1185,419 1184,418 1185,417 1185,344 1072,344 1068,348 1068,429 1071,429 1127,485
  region net VCC: 1062,803 1062,747 1061,746 913,746 913,707 900,694 840,694 840,802 839,803
  region net VCC: 3069,1250.63 3100,1250.63 3100,1142.63 3112,1130.63 3130,1130.63 3130,1090.63 3131,1089.63 3129,1087.63 3038,1087.63 3035.05,1090.58 3035.05,1167.68 3043,1175.63 3069,1175.63
  region net 5V: 2653,809 2654,808 2654,787 2544,787 2543,786 2542,787 2542,824 2585,824 2588,821 2588,809 2654,809
  region net VCC: 2655,885 2655,863 2623,863 2608,848 2541,848 2541,884 2542,885
  pour cut-out: 2684,1108 2834,1108 2834,1037 2833,1036 2684,1036
  pour cut-out: 97.76,598.05 ccw(c206.03,598.05) 206.03,489.78 ccw(c206.03,598.05) 314.3,598.05 ccw(c206.03,598.05) 206.03,706.32 ccw(c206.03,598.05)
  pour cut-out: 4267.76,1740.05 ccw(c4376.03,1740.05) 4376.03,1631.78 ccw(c4376.03,1740.05) 4484.3,1740.05 ccw(c4376.03,1740.05) 4376.03,1848.32 ccw(c4376.03,1740.05)
  pour cut-out: 4113.76,1974.05 ccw(c4222.03,1974.05) 4222.03,1865.78 ccw(c4222.03,1974.05) 4330.3,1974.05 ccw(c4222.03,1974.05) 4222.03,2082.32 ccw(c4222.03,1974.05)
  pour cut-out: 4234.76,322.05 ccw(c4343.03,322.05) 4343.03,213.78 ccw(c4343.03,322.05) 4451.3,322.05 ccw(c4343.03,322.05) 4343.03,430.32 ccw(c4343.03,322.05)
Bottom Layer:
  rectangle net 3.6V: 312,935 390,993
  rectangle net 3.6V: 798,952 860,993
  rectangle net EARTH: 37.4,37.38 409.45,501.95
  pour cut-out: 97.76,599.05 ccw(c206.03,599.05) 206.03,490.78 ccw(c206.03,599.05) 314.3,599.05 ccw(c206.03,599.05) 206.03,707.32 ccw(c206.03,599.05)
  pour cut-out: 4115.76,1976.05 ccw(c4224.03,1976.05) 4224.03,1867.78 ccw(c4224.03,1976.05) 4332.3,1976.05 ccw(c4224.03,1976.05) 4224.03,2084.32 ccw(c4224.03,1976.05)
  pour cut-out: 4268.76,1742.05 ccw(c4377.03,1742.05) 4377.03,1633.78 ccw(c4377.03,1742.05) 4485.3,1742.05 ccw(c4377.03,1742.05) 4377.03,1850.32 ccw(c4377.03,1742.05)
  pour cut-out: 4230.76,322.05 ccw(c4339.03,322.05) 4339.03,213.78 ccw(c4339.03,322.05) 4447.3,322.05 ccw(c4339.03,322.05) 4339.03,430.32 ccw(c4339.03,322.05)
GND (plane layer: these items are gaps in the copper):
  pour cut-out: 0,501.95 409.45,501.95 409.45,5 0,5
  pour cut-out: 4226,1626 4226,1114 4539,1114 4540,1113 4543,1116 4543,1626
VCC (plane layer: these items are gaps in the copper):
  pour cut-out: 4,501.95 409.45,501.95 409.45,1 4,1
  pour cut-out: 4228,1626 4228,1114 4539,1114 4540,1113 4543,1116 4543,1626
  lines w10: 119,821 119,984 272,1137 368,1137 379,1126 379,1066 ; 318,788 324,782 ; 318,1011 370,1063 373,1066 526,1066 ; 323,1016 288,981 288,816 ; 377,728 619,728 973,374 3528,374 3547,393 3547,513 3520,540 3439,540 3420,521 3420,477 3380,437 2618,437 2618,785 2589,814 2542,814 2502,774 2502,435 ; 377,729 377,831 377,798 377,749 ; 415,836 421,836 ; 420,1066 663,1066 ; 533,1066 870,1066 1229,707 1849,707 1887,669 1887,586 1855,554 1813,554 1770,597 ; 584,438 795,438 837,396 875,358 875,356 924,307 1282,307 ; 593,436 584,436 559,411 559,386 584,361 728,361 ; 720,361 734,361 757,338 757,243 783,217 857,217 1199,217 ; 941,1727 941,1700 ; 941,1779 941,1985 ; 941,1786 941,1700 ; 942,1981 942,1985 840,2087 840,2124 855,2139 958,2139 1060,2037 ; 1044,2053 1060,2037 ; 1059,1696 1039,1676 965,1676 941,1700 ; 1060,1696 1060,1788 1060,2037 ; 1094,628 1094,540 1122,512 1217,512 1303,598 1391,598 ; 1095,629 817,907 397,907 375,885 375,835 605,835 924,516 924,514 1001,437 2496,437 ; 1199,219 1215,203 1215,201 1215,79 1244,50 1314,50 1354,90 1354,272 1319,307 1273,307 ; 1385,598 1769,598 ; 1454,1487 1454,1318 1454,942 1689,707 ; 1469,139 1469,134 ; 1492,374 1469,351 1469,134 ; 1646,1489 1838,1489 1838,1848 1876,1886 1928,1886 1949,1865 1949,1505 1967,1487 3670,1487 ; 3675,1492 3786,1603 3786,1771 3848,1833 3969,1833 4048,1754 4048,1230 ; 4048,1242 4048,1230 ; 288,816 375,729 559,545 559,380 607,332 607,232 591,216 468,216 439,245 439,572 302,709 108,709 99,718 99,801 114,816 288,816 ; 1469,134 1490,113 1521,113 1546,138 1546,241 1582,277 2045,277 2804,277 2862,219 4049,219 4155,325 4155,1059 4155,1123 4048,1230 ; 52,1642 81,1613 511,1613 821,1613 944,1490 1663,1490 1663,1535 1627,1571 948,1571 803,1716 503,1716 86,1716 52,1682 52,1642

## Silkscreen, mask and mechanical layers (free items; w line width, h text height)
Top Overlay:
  text "+" at 3708,479 h60
  text "+" at 3389,475 h60
Bottom Overlay:
  text "D_R" at 213,1030 h30
  text "WX0.012.307PCB-4.2" at 1018,961 h40
  text "D_T" at 207,927 h30
  text "102010403-XXX" at 1021,900 h40
  text "UWLWn-P59" at 1015,843 h40
  text "G" at 165,827 h30
  text "2025-11-18" at 1018,780 h40
  text "V1" at 1015,724 h40
  text "V" at 4499,563 h30
  text "G" at 4498,505 h30
  text "SWIO" at 4496,456 h30
  text "灯" at 1020,411 h100
  text "SCLK" at 4497,404 h30
  text "R" at 4495,351 h30
  text "阀门" at 2848,344 h100
  text "温压" at 1911,301 h100
  text "UMU" at 1699,300 h100
  text "119" at 4209,190 h100
  text "主电" at 1011,156 h100 r270
  text "白" at 3029,107 h100
  text "黑" at 3295,103 h100
  text "备电（模块电源）" at 395,41 h100 r270
Mechanical 1:
  circle w0.5: c4339.45,320.92 r108.27
  circle w0.5: c4221.34,1974.47 r108.27
  circle w0.5: c4378.82,1738.25 r98.43
  circle w0.5: c205.59,596.51 r98.43

## Text inside footprints (layer, text, board x,y; h text height)
B1: Bottom Overlay "+" at 3984,570 h80 r180
BT1: Bottom Overlay "V-" at 925.19,150.05 h32 r270; Bottom Overlay "V+" at 880.19,253.05 h32 r270
BT2: Bottom Overlay "V-" at 654.58,150.54 h32 r270; Bottom Overlay "V+" at 609.58,253.54 h32 r270
C23: Bottom Overlay "+" at 1869,764 h80 r90